# Altium PCB AATB-V2.PcbDoc (part 4 of 5) (continued)
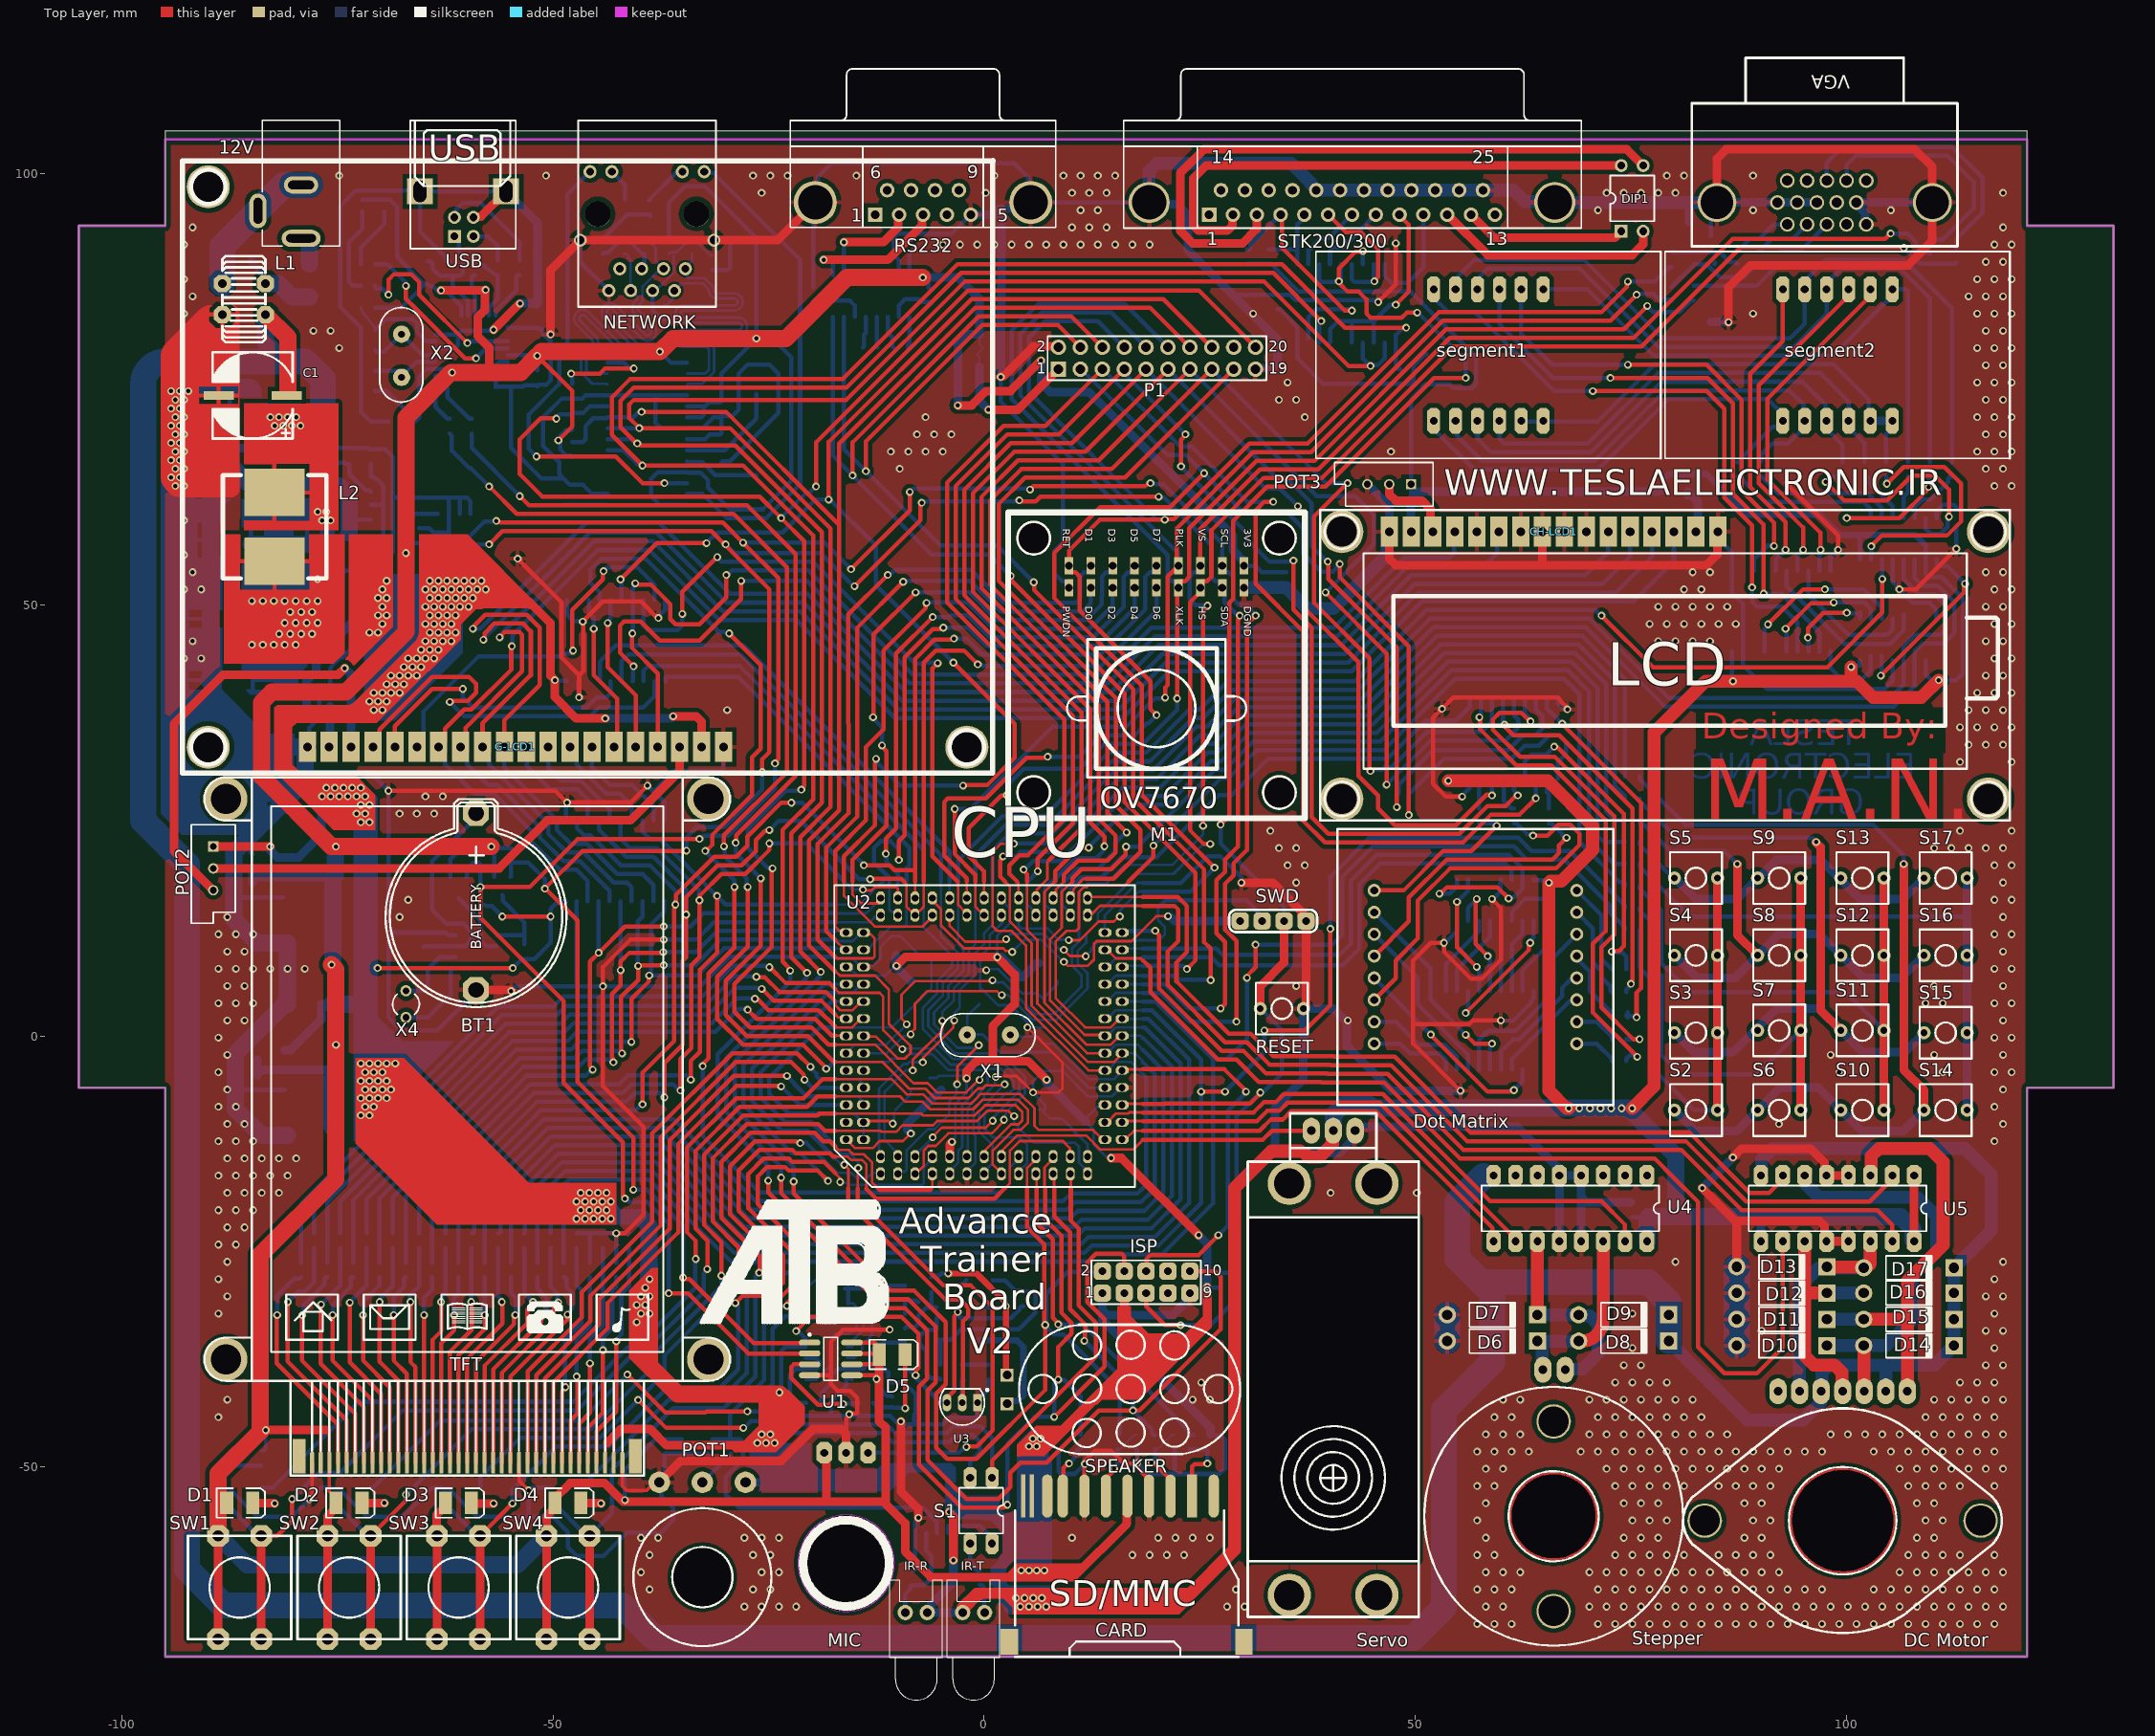
[diagram p0: Top Layer view]
## Nets (pads, with @x,y where several pads share a name; then routed paths per layer and width w, separated by ;. In a path a pad name is that pad's centre, name@x,y a point inside that pad or via, vN(x,y) a via of type N, cw(c..) or ccw(c..) an arc to the next point about the centre after c; other vN are vias at no path point) (continued)
NetR24_2: R24.2 S4.1 S8.1 S12.1 S16.1 | length 60.5
  Top Layer w1: v1(87.372,19.948) 87.372,11.712 S8.1@89.73,9.354
  Bottom Layer w0.5: R24.2@76.03,25.028 76.03,24.753 76.18,24.603 76.455,24.603 79.586,21.472 85.848,21.472 v1(87.372,19.948)
  Bottom Layer w1: S4.1@80.078,9.354 82.692,6.74 87.116,6.74 S8.1@89.73,9.354 92.196,11.82 96.916,11.82 S12.1@99.382,9.354 101.996,6.74 106.42,6.74 S16.1@109.034,9.354
NetR25_2: R25.2 S3.1 S7.1 S11.1 S15.1 | length 80.8
  Top Layer w1: v1(96.516,22.488) 96.516,22.415 97.024,21.907 97.024,3.002 S11.1@99.382,0.644
  Bottom Layer w0.5: R25.2@76.03,27.568 76.03,27.293 80.327,22.996 96.008,22.996 v1(96.516,22.488)
  Bottom Layer w1: S3.1@80.078,0.38 82.354,-1.896 86.864,-1.896 91.944,3.184 96.842,3.184 S11.1@99.382,0.644 101.922,-1.896 106.758,-1.896 S15.1@109.034,0.38
NetR26_2: R26.2 S2.1 S6.1 S10.1 S14.1 | length 100.3
  Top Layer w1: v1(106.676,19.948) 106.676,-3.928 109.034,-6.286 S14.1@109.034,-8.595
  Bottom Layer w0.5: R26.2@76.03,30.108 76.03,29.833 81.343,24.52 103.12,24.52 106.676,20.964 v1(106.676,19.948)
  Bottom Layer w1: S2.1@80.078,-8.595 82.523,-11.04 87.285,-11.04 S6.1@89.73,-8.595 92.365,-5.96 96.747,-5.96 S10.1@99.382,-8.595 101.827,-11.04 106.589,-11.04 S14.1@109.034,-8.595
NetR27_2: R27.2 U11.3 | length 54.8
  Top Layer w0.5: v1(57.444,36.966) 57.547,36.863 57.547,35.577 61.75,31.374 65.786,31.374 72.084,25.076 72.084,12.159 70.624,10.699 70.624,2.727 v1(75.755,-2.404)
  Bottom Layer w0.5: v1(57.444,36.966) 57.444,37.175 57.654,37.384 U11.3@57.654,39.252 ; R27.2@74.506,-2.912 74.506,-2.637 75.04,-2.103 75.246,-2.103 75.547,-2.404 v1(75.755,-2.404)
NetR28_2: R28.2 U11.7 | length 57.8
  Top Layer w0.5: v1(63.385,36.513) 63.305,36.513 62.312,37.506 59.802,37.506 58.991,36.695 58.991,35.548 62.164,32.374 66.2,32.374 73.084,25.49 73.084,11.745 71.624,10.285 71.624,3.306 75.302,-0.372 v1(76.024,-0.372)
  Bottom Layer w0.5: U11.7@62.734,39.252 62.734,37.372 63.385,36.721 v1(63.385,36.513) ; R28.2@74.506,-0.372 v1(76.024,-0.372)
NetR29_2: R29.2 U11.9 | length 43.5
  Top Layer w0.5: v1(67.06,36.235) 67.06,36.196 76.224,27.032 76.224,5.562 75.688,5.026 v1(75.688,2.168)
  Bottom Layer w0.5: U11.9@65.274,39.252 65.293,39.233 65.293,38.002 v1(67.06,36.235) ; R29.2@74.506,2.422 74.506,2.318 74.656,2.168 74.656,2.295 75.561,2.295 v1(75.688,2.168) ; R29.2@74.656,2.572 R29.2@74.656,2.751
NetR30_2: R30.2 U11.5 | length 43.8
  Top Layer w0.5: v1(60.376,36.121) 60.376,35.913 60.748,35.541 60.748,35.535 61.389,34.894 66.714,34.894 75.224,26.384 75.224,6.367 75.024,6.167 v1(75.024,6.059)
  Bottom Layer w0.5: U11.5@60.194,39.252 60.194,36.511 60.376,36.33 v1(60.376,36.121) ; R30.2@74.506,5.089 74.506,5.364 74.947,5.805 74.947,5.982 v1(75.024,6.059)
NetR31_2: R31.2 U11.14 | length 37.8
  Top Layer w0.5: v1(66.14,33.574) 66.217,33.497 66.491,33.497 74.224,25.764 74.224,10.439 73.65,9.865 72.901,9.865 v1(72.824,9.788)
  Bottom Layer w0.5: U11.14@62.734,29.852 62.734,31.874 63.524,32.664 65.221,32.664 66.131,33.574 v1(66.14,33.574) ; v1(72.824,9.788) 72.901,9.711 73.992,9.711 74.519,9.184 74.519,7.769 R31.2@74.506,7.756
NetR32_2: R32.2 U11.12 | length 3.6
  Bottom Layer w0.5: U11.12@65.274,29.852 65.274,28.257 65.528,28.003 R32.2@65.528,26.386
NetR33_2: R33.2 U11.16 | length 4.2
  Bottom Layer w0.5: U11.16@60.194,29.852 60.213,29.833 60.213,28.821 60.309,28.725 60.309,27.266 61.189,26.386 R33.2@61.464,26.386
NetR34_2: R34.2 U11.18 | length 3.6
  Bottom Layer w0.5: R34.2@57.4,26.386 57.4,28.871 57.654,29.125 U11.18@57.654,29.852
NetR36_2: R36.2@99.568,64.876 U7.7@109.216,60.08 | length 28.2
  Top Layer w0.5: v1(97.609,64.27) 99.767,62.112 104.724,62.112 107.633,65.021 110.298,65.021 111.921,63.398 v1(111.921,60.236)
  Bottom Layer w0.5: v1@97.532,64.347 v1(97.609,64.27) 98.214,64.876 R36.2@99.568,64.876 ; U7.7@109.216,60.08 109.235,60.061 109.235,58.817 109.822,58.23 110.921,58.23 111.774,59.083 111.774,60.089 v1(111.921,60.236)
NetR45_2: R45.2 R48.1 U13.4 | length 7.6
  Bottom Layer w0.5: R48.1@-9.148,-33.9 -8.998,-33.75 -7.982,-33.75 -7.624,-33.392 -7.624,-32.423 -6.726,-31.525 -5.54,-31.525 U13.4@-5.502,-31.487 -6.008,-31.487 -6.1,-31.395 R45.2@-6.1,-29.67
NetR50_2: R50.2 R51.2 U16.2 | length 9.1
  Bottom Layer w0.3: U16.2@-15.892,-37.329 -15.018,-37.329 -14.142,-36.453 -14.142,-35.846 -13.013,-34.717 -13.013,-33.065 -12.632,-32.684 -12.613,-32.684 -12.113,-32.184 R50.2@-11.838,-32.184
  Bottom Layer w0.5: R50.2@-11.838,-32.184 R50.2@-11.688,-32.034 R51.2@-11.688,-30.686
NetR52_2: R52.2 U1.3 | length 12.7
  Top Layer w0.5: U1.3@-20.234,-38.091 -22.063,-38.091 -22.356,-38.384 -22.356,-39.695 -19.271,-42.779 -17.92,-42.779 -17.823,-42.682 v1(-16.364,-42.682)
  Bottom Layer w0.5: v1(-16.364,-42.682) -16.291,-42.609 -14.643,-42.609 R52.2@-14.57,-42.536
NetR62_1: R62.1@-41.152,-24.59 TFT.34 | length 26.5
  Top Layer w0.5: TFT.34@-44.952,-49.5 -44.952,-48.5 -44.952,-45.828 -42.676,-43.552 v1(-42.676,-35.424)
  Bottom Layer w0.5: v1(-42.676,-35.424) -42.676,-35.216 -42.088,-34.628 -42.088,-29.896 -41.152,-28.96 R62.1@-41.152,-24.59
NetR62_2: R62.2@30.48,91.274 STK200/300.4 U12.19 | length 28.9
  Top Layer w0.5: STK200/300.4@34.392,95.28 34.544,95.128 34.544,91.44 41.84,84.144 v1(42.672,84.144)
  Bottom Layer w0.5: R62.2@30.48,91.274 30.755,91.274 30.905,91.424 30.905,91.793 STK200/300.4@34.392,95.28 ; U12.19@37.588,80.908 37.588,83.375 38.541,84.328 42.205,84.328 42.313,84.221 42.595,84.221 v1(42.672,84.144)
NetR63_2: R63.2@33.02,91.274 STK200/300.5 U12.1 | length 10.7
  Bottom Layer w0.5: R63.2@33.02,91.274 36.152,91.274 36.318,91.44 ; 36.337,90.772 36.337,89.563 U12.1@36.318,89.544 36.318,91.44 ; STK200/300.5@37.153,95.28 37.153,94.958 36.318,94.123 36.318,91.44
NetR65_1: R65.1 TFT.33 | length 22.9
  Top Layer w0.5: TFT.33@-45.952,-49.5 -45.952,-45.414 -44.2,-43.662 v1(-44.2,-36.44)
  Bottom Layer w0.5: v1(-44.2,-36.44) -44.2,-34.989 -43.088,-33.877 -43.088,-29.482 -42.676,-29.07 R65.1@-42.676,-27.98
NetR66_1: R66.1 TFT.32 | length 26
  Top Layer w0.5: TFT.32@-46.952,-49.5 -46.952,-44.971 -45.724,-43.743 v1(-45.724,-37.964)
  Bottom Layer w0.5: v1(-45.724,-37.964) -45.724,-35.099 -44.2,-33.575 R66.1@-44.2,-24.59
NetR68_1: R68.1 TFT.31 | length 22.5
  Top Layer w0.5: TFT.31@-47.952,-49.5 -47.952,-44.557 -47.182,-43.787 -47.182,-39.554 v1(-47.248,-39.488)
  Bottom Layer w0.5: v1(-47.248,-39.488) -47.248,-35.209 -45.724,-33.685 R68.1@-45.724,-27.98
NetR69_1: R69.1 TFT.30 | length 26.1
  Top Layer w0.5: TFT.30@-48.952,-49.5 -48.952,-41.227 -48.567,-40.842 v1(-48.567,-40.734)
  Bottom Layer w0.5: v1(-48.567,-40.734) -48.633,-40.668 -48.633,-35.18 -46.736,-33.283 -46.736,-29.446 -47.248,-28.934 R69.1@-47.248,-24.59
NetR72_2: R72.2 U17.14 | length 12.1
  Top Layer w0.5: v1(-47.911,76.844) -44.571,76.844 -43.981,77.434 v1(-40.64,77.434)
  Bottom Layer w0.5: v1(-47.911,76.844) -47.756,76.689 R72.2@-47.756,75.662 ; U17.14@-43.692,78.114 -41.787,78.114 -41.184,77.511 -40.717,77.511 v1(-40.64,77.434)
NetR73_1: R73.1 TFT.24 | length 25
  Top Layer w0.5: TFT.24@-54.952,-49.5 -54.952,-39.503 -48.393,-32.944 -48.393,-32.4 v1(-48.317,-32.323)
  Bottom Layer w0.5: R73.1@-48.772,-27.98 -48.616,-27.98 -48.466,-28.13 -48.466,-29.13 -47.752,-29.844 -47.752,-31.576 -48.117,-31.94 -48.117,-32.015 -48.317,-32.215 v1(-48.317,-32.323)
NetR75_1: R75.1 TFT.23 | length 28
  Top Layer w0.5: TFT.23@-55.952,-49.5 -55.952,-39.089 -49.93,-33.067 -49.93,-31.664 -49.391,-31.125 v1(-49.391,-30.917)
  Bottom Layer w0.5: R75.1@-50.296,-24.59 -50.296,-29.07 -49.538,-29.828 -49.538,-30.769 v1(-49.391,-30.917)
NetR76_1: R76.1 TFT.22 | length 24.5
  Top Layer w0.5: TFT.22@-56.952,-49.5 -56.952,-38.675 -51.391,-33.114 -51.391,-32.57 v1(-51.315,-32.493)
  Bottom Layer w0.5: R76.1@-51.82,-27.98 -51.82,-29.316 -50.792,-30.344 -50.792,-31.762 -51.315,-32.285 v1(-51.315,-32.493)
NetR77_1: R77.1 TFT.21 | length 27.7
  Top Layer w0.5: TFT.21@-57.952,-49.5 -57.952,-38.261 -53.007,-33.316 -53.007,-31.739 -52.328,-31.06 v1(-52.328,-30.852)
  Bottom Layer w0.5: R77.1@-53.344,-24.59 -53.344,-29.836 v1(-52.328,-30.852)
NetR79_1: R79.1 USB.2 | length 12.7
  Bottom Layer w0.5: USB.2@-61.44,94.966 -61.249,95.157 -61.249,95.863 -60.456,96.656 -58.424,96.656 -53.852,92.084 R79.1@-53.852,89.953
NetR79_2: R79.2 U20.8 | length 6
  Bottom Layer w0.5: U20.8@-56.64,83.584 -56.624,83.6 -56.624,84.15 -55.294,85.48 -54.277,86.497 -54.277,88.103 -54.127,88.253 R79.2@-53.852,88.253
NetR80_1: R80.1 TFT.20 | length 23.7
  Top Layer w0.5: TFT.20@-58.952,-49.5 -58.952,-37.846 -54.539,-33.434 -54.539,-32.523 v1(-54.392,-32.376)
  Bottom Layer w0.5: R80.1@-54.868,-27.98 -54.868,-29.808 -54.332,-30.344 -54.332,-32.316 v1(-54.392,-32.376)
NetR82_2: R82.2 TFT.19 | length 26.8
  Top Layer w0.5: TFT.19@-59.952,-49.5 -59.952,-37.432 -55.884,-33.364 -55.884,-30.912 v1(-55.944,-30.852)
  Bottom Layer w0.5: R82.2@-56.392,-24.59 -56.392,-30.196 -55.944,-30.644 v1(-55.944,-30.852)
NetR83_1: R83.1 USB.3 | length 4.9
  Bottom Layer w0.5: USB.3@-59.24,92.766 -57.582,92.766 -56.442,91.626 R83.1@-56.442,89.953
NetR83_2: R83.2 R88.1 U20.7 | length 8.2
  Bottom Layer w0.5: R88.1@-59.032,89.953 -58.607,89.803 -57.939,89.278 -57.887,89.243 -57.843,89.199 -57.621,88.998 ccw(c-57.117,89.553) -57.58,88.963 -56.867,88.403 R83.2@-56.442,88.253 -56.442,85.496 -56.458,85.48 -57.43,84.507 -57.43,83.594 U20.7@-57.44,83.584
NetR84_2: R84.2 TFT.18 | length 22.8
  Top Layer w0.5: TFT.18@-60.952,-49.5 -60.952,-37.018 -57.872,-33.938 -57.872,-32.436 v1(-57.932,-32.376)
  Bottom Layer w0.5: v1(-57.932,-32.376) -57.916,-32.36 R84.2@-57.916,-27.98
NetR88_2: R88.2 U20.5 | length 5.2
  Bottom Layer w0.5: U20.5@-59.04,83.584 -59.04,85.794 -59.058,85.811 -59.058,85.894 -59.44,86.276 -59.44,88.103 -59.29,88.253 R88.2@-59.032,88.253
NetR89_2: R89.2 TFT.17 | length 26
  Top Layer w0.5: TFT.17@-61.952,-49.5 -61.952,-36.604 -59.44,-34.092 -59.44,-30.912 v1(-59.5,-30.852)
  Bottom Layer w0.5: v1(-59.5,-30.852) -59.47,-30.822 -59.47,-24.62 R89.2@-59.44,-24.59
NetR90_2: R90.2 U20.24 | length 4.9
  Bottom Layer w0.5: U20.24@-62.24,75.184 -62.24,74.123 -61.947,73.83 -59.715,71.598 R90.2@-59.44,71.598
NetR91_2: R91.2 TFT.16 | length 22.3
  Top Layer w0.5: TFT.16@-62.952,-49.5 -62.952,-35.63 -61.472,-34.15 v1(-61.472,-32.376)
  Bottom Layer w0.5: v1(-61.472,-32.376) -61.472,-30.404 -60.964,-29.896 R91.2@-60.964,-27.98
NetR92_1: R92.1 U20.25 | length 5.8
  Bottom Layer w0.5: U20.25@-63.64,76.584 -63.64,72.983 -62.255,71.598 R92.1@-61.98,71.598
NetR93_2: R93.2 TFT.15 | length 25.5
  Top Layer w0.5: TFT.15@-63.952,-49.5 -63.952,-35.216 -62.996,-34.26 v1(-62.996,-30.852)
  Bottom Layer w0.5: v1(-62.996,-30.852) -62.849,-30.705 -62.849,-30.011 -62.488,-29.65 R93.2@-62.488,-24.59
NetR95_2: R95.2 TFT.14 | length 21.9
  Top Layer w0.5: TFT.14@-64.952,-49.5 v1(-64.952,-32.376)
  Bottom Layer w0.5: v1(-64.952,-32.376) -64.952,-30.344 -64.012,-29.404 R95.2@-64.012,-27.98
NetR96_1: R96.1 TFT.13 | length 25.6
  Top Layer w0.5: v1(-66.552,-30.852) -66.552,-37.815 -65.952,-38.415 TFT.13@-65.952,-49.5
  Bottom Layer w0.5: v1(-66.552,-30.852) -66.62,-30.784 -66.62,-30.087 -65.536,-29.003 R96.1@-65.536,-24.59
NetR97_1: R97.1 TFT.12 | length 22.8
  Top Layer w0.5: v1(-68.492,-32.376) -68.492,-37.645 -66.952,-39.185 TFT.12@-66.952,-49.5
  Bottom Layer w0.5: v1(-68.492,-32.376) -68.492,-30.293 -67.329,-29.13 -67.329,-28.13 -67.179,-27.98 R97.1@-67.06,-27.98
NetR98_1: R98.1 TFT.11 | length 26.4
  Top Layer w0.5: v1(-70.108,-30.852) -70.108,-37.799 -67.952,-39.955 TFT.11@-67.952,-49.5
  Bottom Layer w0.5: v1(-70.108,-30.852) -70.031,-30.775 -70.031,-30.418 -68.584,-28.97 R98.1@-68.584,-24.59
NetR99_1: R99.1 TFT.10 | length 23.6
  Top Layer w0.5: v1(-72.032,-32.376) -72.032,-37.645 -68.952,-40.725 TFT.10@-68.952,-49.5
  Bottom Layer w0.5: v1(-72.032,-32.376) -72.032,-30.817 -70.158,-28.943 -70.158,-28.13 -70.108,-28.08 R99.1@-70.108,-27.98
NetR101_1: R101.1 U20.11 | length 22.1
  Top Layer w0.5: v1(-69.092,85.988) -69.092,87.727 -68.43,88.389 -66.486,88.389 -65.536,87.439 -65.536,85.988 -65.028,85.48 v1(-59.948,80.4)
  Bottom Layer w0.5: R101.1@-70.616,87.004 -70.616,86.84 -70.466,86.69 -69.794,86.69 v1(-69.092,85.988) ; v1(-59.948,80.4) -59.871,80.477 -59.589,80.477 -59.481,80.584 U20.11@-55.24,80.584
NetR102_1: R102.1 U20.12 | length 21.5
  Top Layer w0.5: v1(-67.06,87.004) -67.06,85.48 -66.044,84.464 -60.192,78.612 v1(-58.932,78.612)
  Bottom Layer w0.5: R102.1@-70.616,89.544 -69.224,89.544 -67.137,87.457 -67.137,87.081 v1(-67.06,87.004) ; v1(-58.932,78.612) -57.76,79.784 U20.12@-55.24,79.784
NetR104_1: R104.1 R107.2 U25.4 | length 7.5
  Bottom Layer w0.5: U25.4@-76.616,66.506 -74.103,66.506 -73.939,66.342 R107.2@-73.664,66.342 -73.624,66.302 -73.624,65.192 -71.71,63.278 -71.274,63.278 R104.1@-71.124,63.128
NetR105_1: R105.1 TFT.9 | length 27.2
  Top Layer w0.5: v1(-73.584,-30.932) -73.584,-37.863 -69.952,-41.495 TFT.9@-69.952,-49.5
  Bottom Layer w0.5: v1(-73.584,-30.932) -73.584,-30.869 -71.632,-28.917 R105.1@-71.632,-24.59
NetR106_1: R106.1 TFT.8 | length 24.5
  Top Layer w0.5: v1(-75.572,-32.376) -75.572,-37.645 -70.952,-42.265 TFT.8@-70.952,-49.5
  Bottom Layer w0.5: v1(-75.572,-32.376) -75.525,-32.329 -75.525,-31.176 -73.479,-29.13 -73.479,-28.13 -73.329,-27.98 R106.1@-73.156,-27.98
NetR108_1: R108.1 TFT.7 | length 27.9
  Top Layer w0.5: v1(-76.918,-31.154) -76.957,-31.194 -76.957,-38.03 -71.952,-43.035 TFT.7@-71.952,-49.5
  Bottom Layer w0.5: v1(-76.918,-31.154) -74.68,-28.917 R108.1@-74.68,-24.59
NetR111_1: R111.1 TFT.6 | length 25.4
  Top Layer w0.5: v1(-79.112,-32.376) -79.112,-37.645 -72.952,-43.805 TFT.6@-72.952,-49.5
  Bottom Layer w0.5: v1(-79.112,-32.376) -78.965,-32.229 -78.965,-31.243 -76.521,-28.799 -76.521,-28.13 -76.371,-27.98 R111.1@-76.204,-27.98
NetR112_1: R112.1 TFT.5 | length 29.5
  Top Layer w0.5: v1(-80.776,-30.852) -80.802,-30.878 -80.802,-37.725 -73.952,-44.575 TFT.5@-73.952,-49.5
  Bottom Layer w0.5: v1(-80.776,-30.852) -79.572,-29.648 -78.785,-29.648 -77.728,-28.592 R112.1@-77.728,-24.59
NetR113_1: R113.1 TFT.4 | length 26
  Top Layer w0.5: v1(-82.002,-32.376) -82.074,-32.448 -82.074,-37.946 -74.952,-45.068 TFT.4@-74.952,-49.5
  Bottom Layer w0.5: v1(-82.002,-32.376) -82.002,-30.119 -80.013,-28.13 -79.402,-28.13 R113.1@-79.252,-27.98
NetSTK200/300_6: STK200/300.6 U12.6 U12.8 | length 18
  Top Layer w0.5: STK200/300.6@39.914,95.28 41.955,93.239 43.72,93.239 45.68,91.279 45.68,88.037 45.281,87.638 v1(45.281,87.544)
  Bottom Layer w0.5: U12.6@42.668,89.544 42.668,87.768 42.961,87.476 45.213,87.476 v1(45.281,87.544) ; U12.8@45.208,89.544 45.227,89.525 45.227,87.729 45.304,87.652 v1@45.304,87.468
NetSTK200/300_7: STK200/300.7 U12.2 | length 8.4
  Bottom Layer w0.5: U12.2@37.588,89.544 37.607,89.563 37.607,91.087 39.112,92.592 39.987,92.592 STK200/300.7@42.675,95.28
NetSTK200/300_8: STK200/300.8 U12.4 | length 8.6
  Bottom Layer w0.5: U12.4@40.128,89.544 40.128,91.151 40.421,91.444 41.6,91.444 STK200/300.8@45.436,95.28
NetSTK200/300_9: STK200/300.9 U12.13 U12.15 U12.17 | length 26.9
  Top Layer w0.5: v1(47.752,84.836) 49.262,86.346 49.262,94.109 48.197,95.174 STK200/300.9@48.197,95.28
  Bottom Layer w0.5: U12.17@40.128,80.444 40.147,80.463 40.147,82.016 41.071,82.94 42.668,82.94 ; U12.15@42.668,80.444 42.668,82.94 ; U12.13@45.208,80.444 45.208,82.94 ; v1(47.752,84.836) 47.727,84.811 47.079,84.811 45.208,82.94 ; 42.668,82.94 45.208,82.94
NetSTK200/300_10: STK200/300.10 U12.9 | length 13
  Bottom Layer w0.5: U12.9@46.478,89.544 46.478,88.177 47.279,87.376 49.143,87.376 50.958,89.191 STK200/300.10@50.958,95.28
NetU6_1: U6.1 U7.13@95.631,44.576 | length 10.4
  Top Layer w0.5: v1(95.561,46.228) 95.561,47.301 97.352,49.092 v1(100.076,49.092)
  Bottom Layer w0.5: v1(95.561,46.228) 95.612,46.177 95.612,44.595 U7.13@95.631,44.576 ; v1(100.076,49.092) 100.149,49.019 101.55,49.019 101.596,49.065 101.596,49.153 U6.1@101.596,48.396
NetU6_2: U6.2 U7.15@93.091,44.576 | length 15.3
  Top Layer w0.5: v1(92.964,47.244) 95.938,50.218 98.478,50.218 v1(98.552,50.292)
  Bottom Layer w0.5: v1(92.964,47.244) 92.964,47.136 93.091,47.009 U7.15@93.091,44.576 ; v1(98.552,50.292) 102.108,50.292 102.847,49.553 102.847,48.415 U6.2@102.866,48.396
NetU6_3: U6.3 U7.17 | length 20.4
  Top Layer w0.5: v1(90.932,47.752) 94.996,51.816 v1(97.536,51.816)
  Bottom Layer w0.5: U7.17@90.551,44.576 90.551,47.263 90.932,47.644 v1(90.932,47.752) ; v1(97.536,51.816) 101.998,51.816 104.117,49.697 104.117,48.415 U6.3@104.136,48.396
NetU6_4: U6.4 U7.8@95.631,53.976 | length 16
  Bottom Layer w0.5: U7.8@95.631,53.976 95.631,51.181 100.266,46.546 104.754,46.546 105.387,47.179 105.387,48.377 U6.4@105.406,48.396
NetU6_5: U6.5 U7.6@93.091,53.976 | length 20.6
  Bottom Layer w0.5: U7.6@93.091,53.976 93.091,52.197 99.801,45.487 105.109,45.487 106.676,47.054 U6.5@106.676,48.904
NetU6_14: U6.14 U7.9@110.486,55.28 | length 22
  Top Layer w0.5: v1(104.021,41.792) 113.641,51.412 113.641,52.313 v1(113.788,52.46)
  Bottom Layer w0.5: v1(104.021,41.792) 104.117,41.888 104.117,44.085 U6.14@104.136,44.104 ; U7.9@110.486,55.28 110.486,54.55 110.532,54.504 111.744,54.504 v1(113.788,52.46)
NetU6_15: U6.15 U7.11@98.171,44.576 | length 9.3
  Bottom Layer w0.5: U7.11@98.171,44.576 98.171,42.681 99.568,41.284 101.736,41.284 102.847,42.395 U6.15@102.847,44.085
NetU9_1: U9.1 U10.3 | length 16.6
  Top Layer w0.5: v1(55.876,2.676) 63.201,10.001 63.201,10.657 v1(63.348,10.804)
  Bottom Layer w0.5: v1(55.876,2.676) 55.876,2.784 56.111,3.019 56.111,5.197 U10.3@56.13,5.216 ; v1(63.348,10.804) 63.348,11.012 63.75,11.414 U9.1@63.75,13.344
NetU9_2: U9.2 U10.7 | length 8.7
  Bottom Layer w0.5: U10.7@61.21,5.216 61.21,10.625 62.461,11.876 62.461,13.325 U9.2@62.48,13.344
NetU9_3: U9.3 U10.8 | length 17.7
  Bottom Layer w0.5: U9.3@61.21,13.344 61.229,13.363 61.229,14.378 62.735,15.884 65.235,15.884 65.528,15.591 65.528,10.664 62.48,7.616 U10.8@62.48,5.216
NetU9_4: U9.4 U10.6 | length 8.1
  Bottom Layer w0.5: U10.6@59.94,5.216 U9.4@59.94,13.344
NetU9_5: U9.5 U10.2 | length 9.7
  Bottom Layer w0.5: U10.2@54.86,5.216 54.86,7.684 58.67,11.494 U9.5@58.67,13.344
NetU9_6: U9.6 U10.1 | length 9.7
  Bottom Layer w0.5: U10.1@53.59,5.216 53.59,8.335 57.381,12.126 57.381,13.325 U9.6@57.4,13.344
NetU9_7: U9.7 U10.5 | length 14.4
  Top Layer w0.5: v1(57.154,15.884) 57.007,15.737 57.007,10.689 v1(58.416,9.28)
  Bottom Layer w0.5: U9.7@56.13,13.344 56.149,13.363 56.149,14.879 v1(57.154,15.884) ; v1(58.416,9.28) 58.416,9.072 58.67,8.818 U10.5@58.67,5.216
NetU9_10: U9.10 U10.4 | length 14.5
  Top Layer w0.5: v1(54.86,15.564) 54.86,10.296 v1(57.145,8.011)
  Bottom Layer w0.5: v1(54.86,15.564) 56.111,16.815 56.111,18.125 U9.10@56.13,18.144 ; v1(57.145,8.011) 57.145,7.802 57.4,7.548 U10.4@57.4,5.216
NetU21_1: U21.1 X4.2 | length 9.9
  Bottom Layer w0.5: X4.2@-67.06,2.142 -64.546,2.142 -61.882,4.806 -61.882,7.837 -61.836,7.883 U21.1@-61.332,7.883
NetU21_2: U21.2 X4.1 | length 8.5
  Bottom Layer w0.5: X4.1@-67.06,5.242 -65.002,5.242 -64.52,5.724 -64.52,7.756 -63.123,9.153 U21.2@-61.332,9.153
PB1+ETH_INT: R74.2 SW4.1 U2.7 | length 106.7
  Top Layer w0.3: -17.276,-12.825 -16.877,-13.224 -15.669,-13.224 -15.177,-13.716 -13.937,-13.716 -13,-14.653 -13,-16.972 -12.305,-17.667 ; -6.096,-17.667 -6,-17.571 U2.7@-6,-16
  Top Layer w0.5: v1(-26.092,-27.448) -26.015,-27.372 -26.015,-25.545 -30.484,-21.076 -30.484,-14.596 -27.115,-11.227 -19.651,-11.227 -18.653,-12.226 -17.875,-12.226 -17.276,-12.825 ; -12.305,-17.667 -12.108,-17.864 -6.293,-17.864 -6.096,-17.667
  Top Layer w1: SW4.1@-45.756,-69.97 SW4.1@-45.756,-57.97
  Bottom Layer w0.5: R74.2@-50.296,-54.054 -50.021,-54.054 -46.105,-57.97 SW4.1@-45.756,-57.97 -43.18,-55.394 -43.18,-50.292 -36.068,-43.18 -30.204,-43.18 -26.542,-39.518 -26.542,-27.941 -26.092,-27.491 v1(-26.092,-27.448)
PB2: R94.2 SW3.1 U2.8 | length 113.4
  Top Layer w0.3: -17.276,-15.905 -17.145,-16.036 -17.145,-16.062 -16.775,-16.432 -16.775,-16.856 v1(-16.698,-16.933)
  Top Layer w0.5: SW3.1@-58.456,-57.97 v1(-54.706,-54.22) ; v1(-28.853,-30.989) -27.976,-30.112 -23.398,-30.112 -22.336,-29.05 -22.336,-24.982 -27.34,-19.978 -27.34,-15.974 -25.593,-14.228 -22.647,-14.228 -22.247,-14.627 -18.554,-14.627 -17.276,-15.905
  Top Layer w1: SW3.1@-58.456,-69.97 SW3.1@-58.456,-57.97
  Bottom Layer w0.3: v1(-16.698,-16.933) -16.583,-17.048 -15.878,-17.048 -15.648,-17.278 -7.176,-17.278 -7,-17.102 -7,-15.25 -6,-14.25 U2.8@-6,-14
  Bottom Layer w0.5: R94.2@-62.996,-54.054 -62.721,-54.054 -58.805,-57.97 SW3.1@-58.456,-57.97 ; v1(-54.706,-54.22) -54.706,-52.674 -49.666,-47.634 -43.576,-47.634 -37.122,-41.18 -31.033,-41.18 -28.542,-38.689 -28.542,-31.408 -28.853,-31.097 v1(-28.853,-30.989)
PB3: R109.2 SW2.1 U2.14 | length 135.3
  Top Layer w0.3: -17.276,-9 -7.316,-9 -7.104,-9.212 -1.076,-9.212 0.107,-8.029 3.651,-8.029 4.43,-8.808 4.43,-9.794 3.982,-10.242 3.132,-10.242 0.188,-13.186 0.188,-13.688 U2.14@0,-13.876
  Top Layer w0.5: SW2.1@-71.156,-57.97 -67.06,-53.874 v1(-67.06,-53.204) ; v1(-30.484,-27.804) -30.484,-23.905 -32.484,-21.905 -32.484,-13.768 -27.935,-9.218 -19.304,-9.218 -19.086,-9 -17.276,-9
  Top Layer w1: SW2.1@-71.156,-69.97 SW2.1@-71.156,-57.97
  Bottom Layer w0.5: R109.2@-75.696,-54.054 -75.421,-54.054 -71.505,-57.97 SW2.1@-71.156,-57.97 ; v1(-67.06,-53.204) -59.49,-45.634 -45.634,-45.634 -38.088,-38.088 -38.088,-36.647 -31.532,-30.091 -30.484,-29.043 v1(-30.484,-27.804)
PB4: R115.2 SW1.1 U2.15 | length 152.6
  Top Layer w0.3: -17.276,-7 -9.764,-7 -9.144,-7.62 -7.139,-7.62 -6.26,-8.5 -1.283,-8.5 -0.163,-7.379 3.92,-7.379 5.08,-8.539 5.08,-10.069 4.257,-10.892 3.401,-10.892 1,-13.293 1,-14.912 2,-15.912 U2.15@2,-16
  Top Layer w0.5: SW1.1@-83.856,-57.97 -81.986,-57.97 -80.268,-56.252 v1(-80.268,-53.712) ; v1(-32.122,-27.041) -32.057,-26.976 -32.057,-23.746 -33.484,-22.319 -33.484,-13.353 -28.349,-8.218 -20.532,-8.218 -19.314,-7 -17.276,-7
  Top Layer w1: SW1.1@-83.856,-69.97 SW1.1@-83.856,-57.97
  Bottom Layer w0.5: R115.2@-88.396,-54.054 -88.121,-54.054 -84.205,-57.97 SW1.1@-83.856,-57.97 ; v1(-80.268,-53.712) -77.22,-50.664 -74.68,-50.664 -67.439,-43.423 -47.229,-43.423 -40.88,-37.074 -39.929,-37.074 -32.532,-29.677 -32.532,-27.534 -32.122,-27.124 v1(-32.122,-27.041)
PWM-SP: R55.1 U2.1 | length 39.2
  Top Layer w0.5: v1(-24.536,-27.772) -24.536,-25.61 -29.468,-20.678 -29.468,-15.104 -26.592,-12.228 -21.818,-12.228 -21.695,-12.35 -21.413,-12.35 v1(-21.336,-12.427)
  Bottom Layer w0.3: -17.276,-15.744 -17.14,-15.879 -15.38,-15.879 -14.809,-16.451 -13.582,-16.451 -13.015,-15.883 U2.1@-12,-15.883
  Bottom Layer w0.5: v1(-24.536,-27.772) -24.517,-27.753 -23.336,-27.753 -23.045,-27.462 R55.1@-20.832,-27.462 ; v1(-21.336,-12.427) -21.313,-12.404 -20.616,-12.404 -17.276,-15.744
RESET: ISP.5 R56.1 RESET.1 SWD.3 U2.30 U12.3 U12.5 U12.7 | length 199.5
  Top Layer w0.3: U2.30@16.504,-7.864 18.432,-7.864
  Top Layer w0.5: 18.432,-7.864 20.952,-7.864 20.963,-7.853 30.851,-7.853 31.25,-7.454 31.25,-7.45 32.034,-6.666 v1(32.034,-6.558) ; ISP.5@18.792,-29.836 18.792,-31.36 20.96,-33.528 v1(22.797,-33.528) ; v1(27.428,24.52) 28.448,25.54 28.448,50.267 28.87,50.689 28.87,59.748 32.84,63.718 39.592,63.718 52.21,76.336 v1(55.876,76.336) ; v1(43.938,91.062) 43.843,90.967 43.075,90.967 41.149,89.041 41.149,87.373 42.182,86.34 43.464,86.34 44.349,85.455 44.349,83.799 44.836,83.312 48.433,83.312 49.024,83.903 v1(50.235,83.903)
  Top Layer w1: RESET.1@32.04,3.184 32.04,5.764 34.794,8.518 SWD.3@34.794,13.344
  Bottom Layer w0.5: v1(22.797,-33.528) 26.276,-33.528 29.294,-30.51 29.294,-27.462 ; R56.1@27.428,-27.462 29.294,-27.462 ; v1(27.428,24.52) 27.428,22.356 34.794,14.99 SWD.3@34.794,13.344 ; v1(32.034,-6.558) 29.294,-9.298 29.294,-27.462 ; RESET.1@32.04,3.184 34.54,0.684 34.54,-4.363 v1@32.165,-6.737 ; U12.3@38.858,89.544 38.858,87.76 39.151,87.467 41.072,87.467 v1(41.149,87.544) 41.149,87.652 41.398,87.901 U12.5@41.398,89.544 ; U12.7@43.938,89.544 v1(43.938,91.062) ; v1(50.235,83.903) 50.341,83.903 55.876,78.368 v1(55.876,76.336)
ROW1: P1.17 U2.53 U11.2 | length 148.7
  Top Layer w0.3: U2.53@10.35,16.136 10.35,16.976 10.979,17.605 10.979,17.697 11.198,17.916
  Top Layer w0.355: 11.198,17.916 11.507,18.225 11.825,18.225
  Top Layer w0.5: 11.825,18.225 15.022,18.225 18.145,21.348 18.145,23.881 15.304,26.722 15.304,39.184 1.692,52.796 1.692,61.703 4.756,64.767 16.367,64.767 P1.17@28.952,77.352
  Bottom Layer w0.3: U2.53@10,16 10,17.157 10.759,17.916
  Bottom Layer w0.5: 10.759,17.916 11.267,18.424 13.632,18.424 15.968,20.759 20.012,20.759 27.195,27.942 28.745,27.942 32.943,32.14 46.76,32.14 51.185,36.565 53.688,36.565 53.725,36.602 54.75,36.602 56.365,38.217 56.365,39.233 U11.2@56.384,39.252
ROW2: P1.15 U2.54 U11.4 | length 169.9
  Top Layer w0.5: v1(16.538,23.609) 16.525,23.609 14.304,25.829 14.304,38.77 0.692,52.382 0.692,62.117 4.342,65.767 14.827,65.767 P1.15@26.412,77.352 ; v1(42.16,64.144) 38.25,60.234 38.25,50.274 44.7,43.824 44.7,30.855 v1(44.811,30.743)
  Bottom Layer w0.3: 9.345,17.916 9,17.571 9,15.293 U2.54@10.157,14.136
  Bottom Layer w0.5: 9.345,17.916 10.853,19.424 13.218,19.424 15.19,21.396 15.19,22.374 15.975,23.159 15.981,23.159 16.43,23.609 v1(16.538,23.609) ; P1.15@26.412,77.352 39.62,64.144 v1(42.16,64.144) ; v1(44.811,30.743) 44.958,30.89 46.196,30.89 46.446,31.14 47.174,31.14 47.666,31.632 47.748,31.632 51.367,35.251 57.688,35.251 58.829,36.393 58.829,36.641 58.924,36.735 U11.4@58.924,39.252
ROW3: P1.13 U2.55 U11.6 | length 174.6
  Top Layer w0.3: U2.55@8.35,16.136 8.35,17.007 9.22,17.876 9.22,17.916
  Top Layer w0.41: 9.22,17.916 9.22,18.346 9.264,18.391
  Top Layer w0.5: 9.264,18.391 9.264,18.708 10.904,20.348 14.316,20.348 15.272,21.304 15.272,23.226 13.304,25.194 13.304,38.356 -0.308,51.968 -0.308,62.531 3.928,66.767 13.287,66.767 P1.13@23.872,77.352 ; v1(39.62,51.444) 46.677,44.387 v1(46.677,29.147)
  Bottom Layer w0.5: P1.13@23.872,77.352 38.604,62.62 43.044,62.62 45.208,60.456 45.208,57.032 v1(39.62,51.444) ; v1(46.677,29.147) 51.781,34.251 60.464,34.251 61.967,35.754 61.967,36.725 61.464,37.228 U11.6@61.464,39.252
ROW4: P1.11 U2.56 U11.8 | length 177.9
  Top Layer w0.5: v1(13.957,22.013) 13.957,23.127 12.304,24.78 12.304,37.941 -1.308,51.553 -1.308,62.945 3.514,67.767 11.747,67.767 P1.11@21.332,77.352 ; v1(39.858,55.048) 39.934,54.971 39.934,53.03 47.887,45.077 v1(47.887,26.552)
  Bottom Layer w0.3: 7.931,17.916 7.756,17.916 7,17.16 7,15.293 7.543,14.75 8.14,14.75 U2.56@8.32,14.57 ; U2.56@8,13.678 U2.56@8,14 8.178,14 U2.56@8,13.678
  Bottom Layer w0.5: 7.931,17.916 10.659,20.644 13.024,20.644 13.881,21.501 13.881,21.936 v1(13.957,22.013) ; P1.11@21.332,77.352 34.168,64.516 35.294,64.516 38,61.81 38,56.808 39.76,55.048 v1(39.858,55.048) ; v1(47.887,26.552) 47.887,27.937 48.062,28.112 48.062,29.118 52.1,33.156 60.783,33.156 62.521,34.894 63.958,34.894 64.77,35.705 64.77,37.087 64.023,37.833 64.023,39.233 U11.8@64.004,39.252
ROW5: P1.9 U2.57 U11.17 | length 162.7
  Top Layer w0.3: U2.57@6,16 6.096,16.096 6.096,16.94 7.072,17.916 7.339,18.183 7.339,18.365
  Top Layer w0.35: 7.339,18.365 7.339,20.179 7.553,20.393
  Top Layer w0.5: 7.553,20.393 11.304,24.144 11.304,37.527 -2.308,51.139 -2.308,63.359 3.099,68.767 10.207,68.767 P1.9@18.792,77.352 ; v1(36.408,61.44) 36.408,61.232 37.08,60.559 37.08,49.7 43.426,43.354 43.426,30.17 45.716,27.88 45.716,26.379 47.655,24.44 54.729,24.44 58.293,28.004 58.32,27.977 58.847,27.977 v1(58.924,27.9)
  Bottom Layer w0.5: P1.9@18.792,77.352 32.644,63.5 34.348,63.5 v1(36.408,61.44) ; v1(58.924,27.9) U11.17@58.924,29.852